# Altium PCB PCB.PcbDoc (part 8 of 10) (continued)
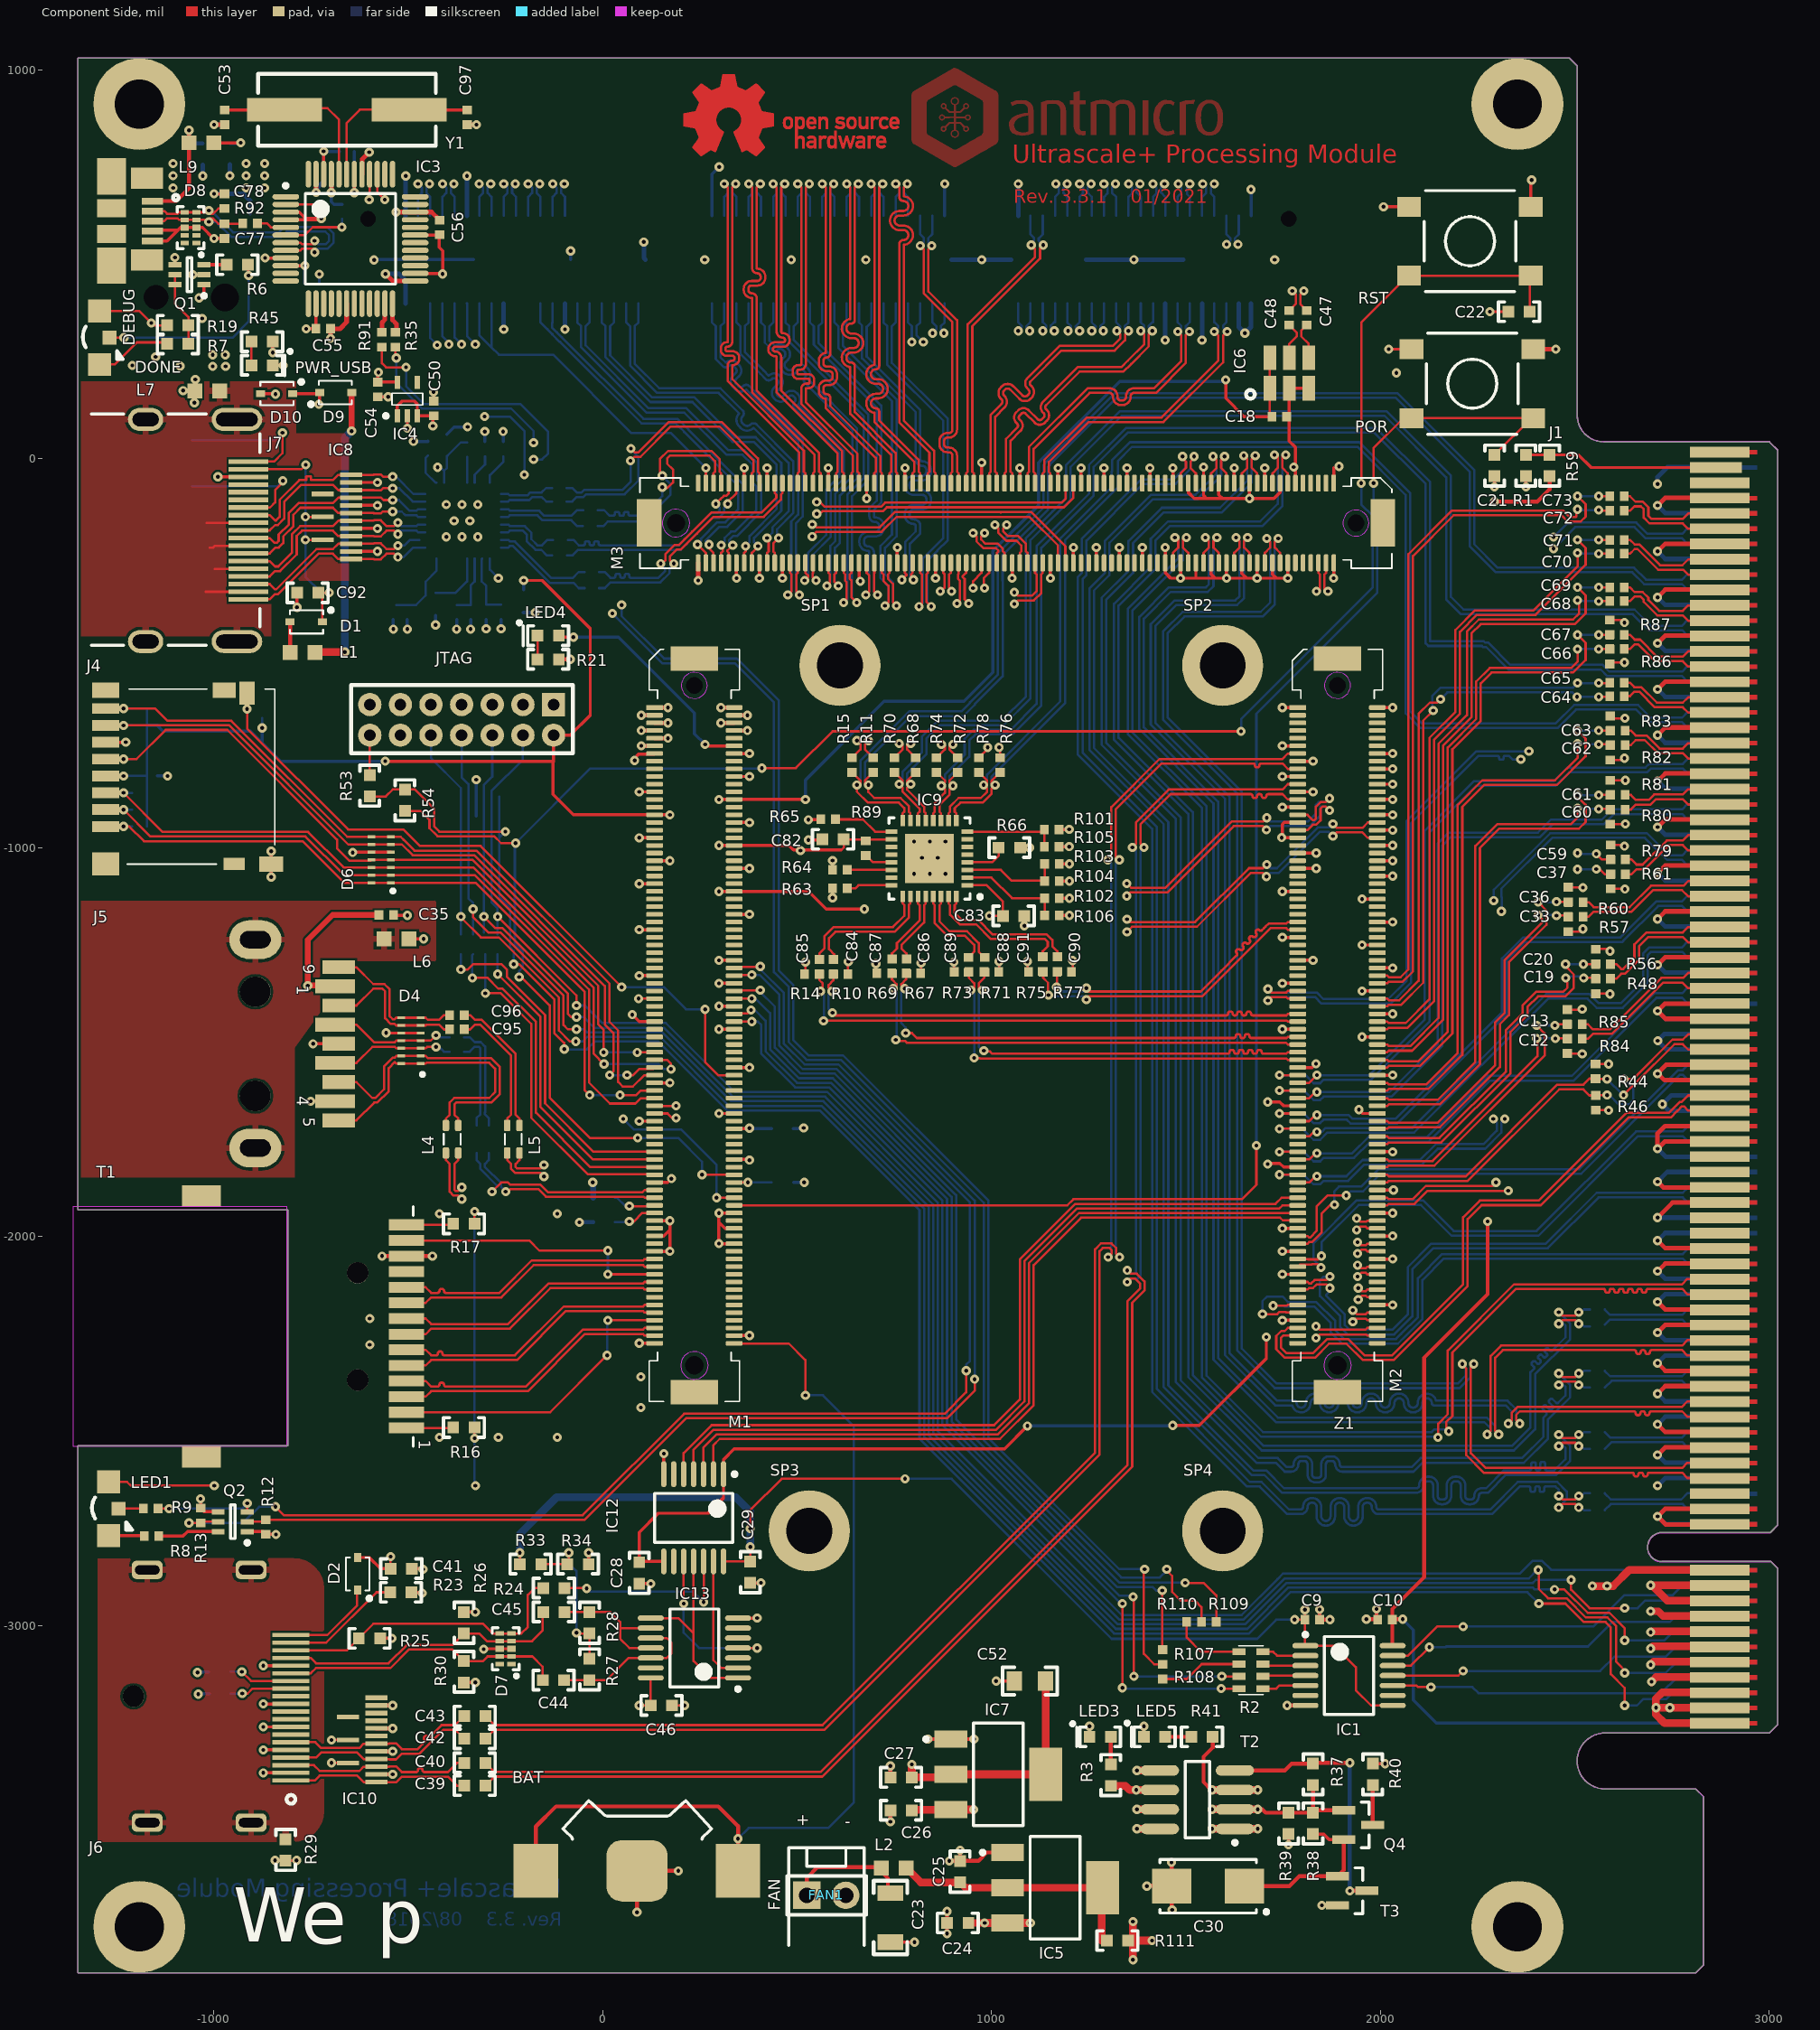
[diagram p0: Component Side view]
## Nets (pads, with @x,y where several pads share a name; then routed paths per layer and width w, separated by ;. In a path a pad name is that pad's centre, name@x,y a point inside that pad or via, vN(x,y) a via of type N, cw(c..) or ccw(c..) an arc to the next point about the centre after c; other vN are vias at no path point) (continued)
; 345.89,819.07 405.2,819.07 ; 345.89,819.47 404.81,819.47 ; 345.89,846.96 409.13,846.96 ; 345.89,896.07 408.35,896.07 ; 346.28,817.9 405.99,817.9 ; 346.28,818.29 405.6,818.29 ; 346.28,847.36 409.13,847.36 ; 346.28,895.67 408.35,895.67 ; 346.67,816.72 406.77,816.72 ; 346.67,817.11 406.38,817.11 ; 346.67,817.5 406.38,817.5 ; 346.67,847.75 409.52,847.75 ; 346.67,895.28 408.74,895.28 ; 347.07,815.93 407.17,815.93 ; 347.07,816.32 407.17,816.32 ; 347.07,894.89 408.74,894.89 ; 347.46,814.75 407.95,814.75 ; 347.46,815.15 407.95,815.15 ; 347.46,815.54 407.56,815.54 ; 347.46,848.14 409.52,848.14 ; 347.46,894.5 409.13,894.5 ; 347.85,813.97 408.74,813.97 ; 347.85,814.36 408.35,814.36 ; 347.85,848.54 409.52,848.54 ; 347.85,894.1 409.13,894.1 ; 348.24,813.18 409.13,813.18 ; 348.24,813.58 408.74,813.58 ; 348.24,848.93 409.92,848.93 ; 348.24,893.71 409.52,893.71 ; 348.64,812 409.92,812 ; 348.64,812.4 409.52,812.4 ; 348.64,812.79 409.52,812.79 ; 348.64,849.32 410.31,849.32 ; 348.64,849.71 410.31,849.71 ; 348.64,893.32 410.31,893.32 ; 349.03,811.22 410.7,811.22 ; 349.03,811.61 410.31,811.61 ; 349.03,850.11 411.1,850.11 ; 349.03,892.92 411.1,892.92 ; 349.42,810.04 411.49,810.04 ; 349.42,810.43 411.1,810.43 ; 349.42,810.83 410.7,810.83 ; 349.42,850.5 412.67,850.5 ; 349.42,892.53 413.06,892.53 ; 349.82,809.25 411.88,809.25 ; 349.82,809.65 411.49,809.65 ; 349.82,850.89 414.63,850.89 ; 349.82,891.75 417.38,891.75 ; 349.82,892.14 415.02,892.14 ; 350.21,808.47 412.27,808.47 ; 350.21,808.86 412.27,808.86 ; 350.21,851.29 416.59,851.29 ; 350.21,891.35 419.34,891.35 ; 350.6,807.29 413.06,807.29 ; 350.6,807.68 413.06,807.68 ; 350.6,808.08 412.67,808.08 ; 350.6,851.68 418.95,851.68 ; 350.6,852.07 420.92,852.07 ; 350.6,890.96 421.31,890.96 ; 350.99,806.5 413.84,806.5 ; 350.99,806.9 413.45,806.9 ; 350.99,852.46 423.27,852.46 ; 350.99,890.17 425.63,890.17 ; 350.99,890.57 423.67,890.57 ; 351.39,805.33 414.63,805.33 ; 351.39,805.72 414.24,805.72 ; 351.39,806.11 413.84,806.11 ; 351.39,852.86 425.24,852.86 ; 351.39,853.25 427.2,853.25 ; 351.39,889.78 427.99,889.78 ; 351.78,804.54 415.02,804.54 ; 351.78,804.93 415.02,804.93 ; 351.78,853.64 429.56,853.64 ; 351.78,889 431.91,889 ; 351.78,889.39 429.95,889.39 ; 352.17,803.36 415.81,803.36 ; 352.17,803.75 415.81,803.75 ; 352.17,804.15 415.42,804.15 ; 352.17,854.04 431.52,854.04 ; 352.17,854.43 433.49,854.43 ; 352.17,888.6 434.27,888.6 ; 352.57,802.58 416.59,802.58 ; 352.57,802.97 416.2,802.97 ; 352.57,854.82 435.84,854.82 ; 352.57,887.82 438.2,887.82 ; 352.57,888.21 436.24,888.21 ; 352.96,801.79 416.99,801.79 ; 352.96,802.18 416.59,802.18 ; 352.96,855.21 437.81,855.21 ; 352.96,855.61 439.38,855.61 ; 352.96,887.03 440.16,887.03 ; 352.96,887.43 439.77,887.43 ; 353.35,800.61 417.38,800.61 ; 353.35,801.01 417.38,801.01 ; 353.35,801.4 416.99,801.4 ; 353.35,856 440.16,856 ; 353.35,856.39 440.16,856.39 ; 353.35,886.25 440.56,886.25 ; 353.35,886.64 440.56,886.64 ; 353.74,799.83 416.99,799.83 ; 353.74,800.22 416.99,800.22 ; 353.74,856.79 440.56,856.79 ; 353.74,857.18 440.56,857.18 ; 353.74,885.46 440.56,885.46 ; 353.74,885.85 440.56,885.85 ; 354.14,798.65 415.81,798.65 ; 354.14,799.04 416.2,799.04 ; 354.14,799.43 416.59,799.43 ; 354.14,857.57 440.56,857.57 ; 354.14,857.96 440.56,857.96 ; 354.14,884.68 440.56,884.68 ; 354.14,885.07 440.56,885.07 ; 354.53,797.86 415.02,797.86 ; 354.53,798.26 415.42,798.26 ; 354.53,858.36 440.56,858.36 ; 354.53,858.75 440.56,858.75 ; 354.53,859.14 440.56,859.14 ; 354.53,883.89 440.56,883.89 ; 354.53,884.28 440.56,884.28 ; 354.92,797.08 414.24,797.08 ; 354.92,797.47 414.63,797.47 ; 354.92,859.53 440.56,859.53 ; 354.92,859.93 440.56,859.93 ; 354.92,860.32 440.56,860.32 ; 354.92,882.71 440.56,882.71 ; 354.92,883.1 440.56,883.1 ; 354.92,883.5 440.56,883.5 ; 355.32,795.9 413.06,795.9 ; 355.32,796.29 413.45,796.29 ; 355.32,796.68 413.84,796.68 ; 355.32,860.71 440.56,860.71 ; 355.32,861.11 440.56,861.11 ; 355.32,861.5 440.56,861.5 ; 355.32,881.53 440.56,881.53 ; 355.32,881.93 440.56,881.93 ; 355.32,882.32 440.56,882.32 ; 355.71,795.11 412.27,795.11 ; 355.71,795.51 412.67,795.51 ; 355.71,861.89 440.56,861.89 ; 355.71,862.28 440.56,862.28 ; 355.71,862.68 440.56,862.68 ; 355.71,880.35 440.56,880.35 ; 355.71,880.75 440.56,880.75 ; 355.71,881.14 440.56,881.14 ; 356.1,793.93 368.28,793.93 ; 356.1,794.33 369.06,794.33 ; 356.1,794.72 370.24,794.72 ; 356.1,863.07 440.56,863.07 ; 356.1,863.46 440.56,863.46 ; 356.1,863.86 440.56,863.86 ; 356.1,864.25 440.56,864.25 ; 356.1,878.78 440.56,878.78 ; 356.1,879.18 440.56,879.18 ; 356.1,879.57 440.56,879.57 ; 356.1,879.96 440.56,879.96 ; 356.49,793.15 366.71,793.15 ; 356.49,793.54 367.49,793.54 ; 356.49,864.64 440.56,864.64 ; 356.49,865.03 440.56,865.03 ; 356.49,865.43 440.56,865.43 ; 356.49,865.82 440.56,865.82 ; 356.49,866.21 440.56,866.21 ; 356.49,876.43 440.56,876.43 ; 356.49,876.82 440.56,876.82 ; 356.49,877.21 440.56,877.21 ; 356.49,877.6 440.56,877.6 ; 356.49,878 440.56,878 ; 356.49,878.39 440.56,878.39 ; 356.89,791.97 364.74,791.97 ; 356.89,792.36 365.53,792.36 ; 356.89,792.76 365.92,792.76 ; 356.89,866.61 440.56,866.61 ; 356.89,867 440.56,867 ; 356.89,867.39 440.56,867.39 ; 356.89,867.78 440.56,867.78 ; 356.89,868.18 440.56,868.18 ; 356.89,868.57 440.56,868.57 ; 356.89,868.96 440.56,868.96 ; 356.89,869.36 440.56,869.36 ; 356.89,869.75 440.56,869.75 ; 356.89,870.14 440.56,870.14 ; 356.89,870.53 440.56,870.53 ; 356.89,870.93 440.56,870.93 ; 356.89,871.71 440.56,871.71 ; 356.89,872.11 440.56,872.11 ; 356.89,872.5 440.56,872.5 ; 356.89,872.89 440.56,872.89 ; 356.89,873.28 440.56,873.28 ; 356.89,873.68 440.56,873.68 ; 356.89,874.07 440.56,874.07 ; 356.89,874.46 440.56,874.46 ; 356.89,874.85 440.56,874.85 ; 356.89,875.25 440.56,875.25 ; 356.89,875.64 440.56,875.64 ; 356.89,876.03 440.56,876.03 ; 357.28,791.18 363.17,791.18 ; 357.28,791.58 363.96,791.58 ; 357.28,871.32 440.56,871.32 ; 357.67,790.4 361.6,790.4 ; 357.67,790.79 362.39,790.79 ; 358.06,789.61 360.03,789.61 ; 358.06,790.01 360.81,790.01 ; 358.46,789.22 359.24,789.22 ; 369.46,947.13 413.06,947.13 ; 370.24,947.53 412.67,947.53 ; 370.64,947.92 412.27,947.92 ; 371.03,794.72 411.88,794.72 ; 371.03,948.31 411.88,948.31 ; 371.81,794.33 411.49,794.33 ; 371.81,948.7 411.49,948.7 ; 372.21,949.1 411.1,949.1 ; 372.6,793.93 411.1,793.93 ; 372.99,793.54 410.7,793.54 ; 372.99,949.49 410.7,949.49 ; 373.38,949.88 410.31,949.88 ; 373.78,793.15 410.31,793.15 ; 374.17,792.76 409.92,792.76 ; 374.17,950.28 409.92,950.28 ; 374.56,950.67 409.52,950.67 ; 374.96,792.36 409.52,792.36 ; 375.35,791.97 409.13,791.97 ; 375.35,951.06 409.13,951.06 ; 375.74,791.58 408.74,791.58 ; 375.74,951.45 408.74,951.45 ; 376.53,791.18 408.35,791.18 ; 376.53,951.85 408.35,951.85 ; 376.92,790.79 407.95,790.79 ; 376.92,952.24 407.95,952.24 ; 377.71,790.4 407.56,790.4 ; 377.71,952.63 407.56,952.63 ; 378.1,790.01 407.17,790.01 ; 378.1,953.03 407.17,953.03 ; 378.49,953.42 406.77,953.42 ; 378.88,789.61 406.77,789.61 ; 379.28,789.22 406.38,789.22 ; 379.28,953.81 406.38,953.81 ; 379.67,954.2 405.99,954.2 ; 380.06,788.83 405.99,788.83 ; 380.46,788.44 405.6,788.44 ; 380.46,954.6 405.6,954.6 ; 380.85,954.99 405.2,954.99 ; 381.24,788.04 405.2,788.04 ; 381.63,787.65 404.81,787.65 ; 381.63,955.38 404.81,955.38 ; 382.03,787.26 404.42,787.26 ; 382.03,955.78 404.42,955.78 ; 382.81,786.86 404.02,786.86 ; 382.81,956.17 404.02,956.17 ; 383.21,786.47 403.63,786.47 ; 383.21,956.56 403.63,956.56 ; 383.99,786.08 403.24,786.08 ; 383.99,956.95 403.24,956.95 ; 384.38,785.69 402.85,785.69 ; 384.38,957.35 402.85,957.35 ; 384.78,957.74 402.45,957.74 ; 385.17,785.29 402.45,785.29 ; 385.56,784.9 402.06,784.9 ; 385.56,958.13 402.06,958.13 ; 385.95,958.52 401.67,958.52 ; 386.35,784.51 401.67,784.51 ; 386.74,784.11 401.27,784.11 ; 386.74,958.92 401.27,958.92 ; 387.13,959.31 400.88,959.31 ; 387.53,783.72 400.88,783.72 ; 387.92,783.33 400.49,783.33 ; 387.92,959.7 400.49,959.7 ; 388.31,782.94 400.1,782.94 ; 388.31,960.1 400.1,960.1 ; 389.1,782.54 399.7,782.54 ; 389.1,960.49 399.7,960.49 ; 389.49,782.15 399.31,782.15 ; 389.49,960.88 399.31,960.88 ; 390.28,781.76 398.92,781.76 ; 390.28,961.27 398.92,961.27 ; 390.67,781.36 398.52,781.36 ; 390.67,961.67 398.52,961.67 ; 391.06,962.06 398.13,962.06 ; 391.45,780.97 398.13,780.97 ; 391.85,780.58 397.74,780.58 ; 391.85,962.45 397.74,962.45 ; 392.24,962.85 397.35,962.85 ; 392.63,780.19 397.35,780.19 ; 393.03,779.79 396.95,779.79 ; 393.03,963.24 396.95,963.24 ; 393.42,963.63 396.56,963.63 ; 393.81,779.4 396.56,779.4 ; 394.2,779.01 395.78,779.01 ; 394.2,964.02 396.17,964.02 ; 464.18,862.88 470.47,862.88 ; 464.18,863.28 470.47,863.28 ; 464.18,863.67 470.47,863.67 ; 464.18,864.06 470.47,864.06 ; 464.18,864.46 470.47,864.46 ; 464.18,864.85 470.47,864.85 ; 464.58,858.56 470.86,858.56 ; 464.58,858.96 470.86,858.96 ; 464.58,859.35 470.47,859.35 ; 464.58,859.74 470.47,859.74 ; 464.58,860.13 470.47,860.13 ; 464.58,860.53 470.47,860.53 ; 464.58,860.92 470.47,860.92 ; 464.58,861.31 470.47,861.31 ; 464.58,861.71 470.47,861.71 ; 464.58,862.1 470.47,862.1 ; 464.58,862.49 470.47,862.49 ; 464.58,865.24 470.47,865.24 ; 464.58,865.63 470.47,865.63 ; 464.58,866.03 470.47,866.03 ; 464.58,866.42 470.47,866.42 ; 464.58,866.81 470.47,866.81 ; 464.58,867.21 470.47,867.21 ; 464.58,867.6 470.47,867.6 ; 464.58,867.99 470.47,867.99 ; 464.58,868.38 470.47,868.38 ; 464.58,868.78 470.86,868.78 ; 464.58,869.17 470.86,869.17 ; 464.97,856.6 471.65,856.6 ; 464.97,856.99 471.65,856.99 ; 464.97,857.38 471.25,857.38 ; 464.97,857.78 471.25,857.78 ; 464.97,858.17 470.86,858.17 ; 464.97,869.56 470.86,869.56 ; 464.97,869.96 471.25,869.96 ; 464.97,870.35 471.25,870.35 ; 464.97,870.74 471.65,870.74 ; 464.97,871.13 471.65,871.13 ; 465.36,855.42 472.83,855.42 ; 465.36,855.81 472.43,855.81 ; 465.36,856.21 472.04,856.21 ; 465.36,871.53 472.04,871.53 ; 465.36,871.92 472.43,871.92 ; 465.36,872.31 472.83,872.31 ; 465.76,854.64 474,854.64 ; 465.76,855.03 473.61,855.03 ; 465.76,872.7 473.61,872.7 ; 465.76,873.1 474.4,873.1 ; 466.15,853.85 487.75,853.85 ; 466.15,854.24 475.18,854.24 ; 466.15,873.49 475.58,873.49 ; 466.15,873.88 487.75,873.88 ; 466.54,853.46 487.36,853.46 ; 466.54,874.28 487.36,874.28 ; 466.93,853.06 487.36,853.06 ; 466.93,874.67 487.36,874.67 ; 467.33,852.28 486.57,852.28 ; 467.33,852.67 486.97,852.67 ; 467.33,875.06 486.97,875.06 ; 467.33,875.45 486.57,875.45 ; 467.72,851.89 486.18,851.89 ; 467.72,875.85 486.18,875.85 ; 468.11,851.49 485.79,851.49 ; 468.11,876.24 485.79,876.24 ; 468.5,851.1 485.4,851.1 ; 468.5,876.63 485.4,876.63 ; 468.9,850.71 485,850.71 ; 468.9,877.03 485,877.03 ; 469.68,850.31 484.61,850.31 ; 469.68,877.42 484.61,877.42 ; 470.08,849.92 483.83,849.92 ; 470.08,877.81 483.83,877.81 ; 470.86,849.53 483.04,849.53 ; 470.86,878.2 483.04,878.2 ; 471.65,849.14 482.25,849.14 ; 471.65,878.6 482.25,878.6 ; 472.83,848.74 481.08,848.74 ; 472.83,878.99 481.08,878.99 ; 474,879.38 479.9,879.38 ; 474.4,848.35 479.9,848.35 ; 478.72,854.24 488.15,854.24 ; 478.72,873.49 488.15,873.49 ; 479.9,854.64 488.15,854.64 ; 479.9,873.1 488.15,873.1 ; 480.68,855.03 488.54,855.03 ; 480.68,872.7 488.54,872.7 ; 481.08,855.42 488.54,855.42 ; 481.08,872.31 488.54,872.31 ; 481.47,855.81 488.54,855.81 ; 481.47,871.92 488.54,871.92 ; 481.86,856.21 488.93,856.21 ; 481.86,871.53 488.93,871.53 ; 482.25,856.6 488.93,856.6 ; 482.25,871.13 488.93,871.13 ; 482.65,856.99 488.93,856.99 ; 482.65,857.38 489.32,857.38 ; 482.65,870.35 489.32,870.35 ; 482.65,870.74 488.93,870.74 ; 483.04,857.78 489.32,857.78 ; 483.04,858.17 489.32,858.17 ; 483.04,869.56 489.32,869.56 ; 483.04,869.96 489.32,869.96 ; 483.43,858.56 489.32,858.56 ; 483.43,858.96 489.32,858.96 ; 483.43,859.35 489.32,859.35 ; 483.43,859.74 489.72,859.74 ; 483.43,860.13 489.72,860.13 ; 483.43,860.53 489.72,860.53 ; 483.43,867.21 489.72,867.21 ; 483.43,867.6 489.72,867.6 ; 483.43,867.99 489.72,867.99 ; 483.43,868.38 489.32,868.38 ; 483.43,868.78 489.32,868.78 ; 483.43,869.17 489.32,869.17 ; 483.83,860.92 489.72,860.92 ; 483.83,861.31 489.72,861.31 ; 483.83,861.71 489.72,861.71 ; 483.83,862.1 489.72,862.1 ; 483.83,862.49 489.72,862.49 ; 483.83,862.88 489.72,862.88 ; 483.83,863.28 489.72,863.28 ; 483.83,863.67 489.72,863.67 ; 483.83,864.06 489.72,864.06 ; 483.83,864.46 489.72,864.46 ; 483.83,864.85 489.72,864.85 ; 483.83,865.24 489.72,865.24 ; 483.83,865.63 489.72,865.63 ; 483.83,866.03 489.72,866.03 ; 483.83,866.42 489.72,866.42 ; 483.83,866.81 489.72,866.81 ; 495.22,799.25 501.5,799.25 ; 495.22,799.64 501.5,799.64 ; 495.22,800.03 501.5,800.03 ; 495.22,800.43 501.5,800.43 ; 495.22,800.82 501.5,800.82 ; 495.22,801.21 501.5,801.21 ; 495.22,801.6 501.5,801.6 ; 495.22,802 501.5,802 ; 495.22,802.39 501.5,802.39 ; 495.22,802.78 501.5,802.78 ; 495.22,803.18 501.5,803.18 ; 495.22,803.57 501.5,803.57 ; 495.22,803.96 501.5,803.96 ; 495.22,804.35 501.5,804.35 ; 495.22,804.75 501.5,804.75 ; 495.22,805.14 501.5,805.14 ; 495.22,805.53 501.5,805.53 ; 495.22,805.93 501.5,805.93 ; 495.22,806.32 501.5,806.32 ; 495.22,806.71 501.5,806.71 ; 495.22,807.1 501.5,807.1 ; 495.22,807.5 501.5,807.5 ; 495.22,807.89 501.5,807.89 ; 495.22,808.28 501.5,808.28 ; 495.22,808.68 501.5,808.68 ; 495.22,809.07 501.5,809.07 ; 495.22,809.46 501.5,809.46 ; 495.22,809.85 501.5,809.85 ; 495.22,810.25 501.5,810.25 ; 495.22,810.64 501.5,810.64 ; 495.22,811.03 501.5,811.03 ; 495.22,811.43 501.5,811.43 ; 495.22,811.82 501.5,811.82 ; 495.22,812.21 501.5,812.21 ; 495.22,812.6 501.5,812.6 ; 495.22,813 501.5,813 ; 495.22,813.39 501.5,813.39 ; 495.22,813.78 501.5,813.78 ; 495.22,814.18 501.5,814.18 ; 495.22,814.57 501.5,814.57 ; 495.22,814.96 501.5,814.96 ; 495.22,815.35 501.5,815.35 ; 495.22,815.75 501.5,815.75 ; 495.22,816.14 501.5,816.14 ; 495.22,816.53 501.5,816.53 ; 495.22,816.92 501.5,816.92 ; 495.22,817.32 501.5,817.32 ; 495.22,817.71 501.5,817.71 ; 495.22,818.1 501.5,818.1 ; 495.22,818.5 501.5,818.5 ; 495.22,818.89 501.5,818.89 ; 495.22,819.28 501.5,819.28 ; 495.22,819.67 501.5,819.67 ; 495.22,820.07 501.89,820.07 ; 495.22,820.46 501.89,820.46 ; 495.22,820.85 501.89,820.85 ; 495.22,821.25 502.29,821.25 ; 495.22,821.64 502.29,821.64 ; 495.22,822.03 502.68,822.03 ; 495.22,822.42 503.07,822.42 ; 495.22,822.82 503.47,822.82 ; 495.22,823.21 503.86,823.21 ; 495.22,823.6 504.25,823.6 ; 495.22,824 505.04,824 ; 495.22,824.39 507,824.39 ; 495.22,824.78 518.79,824.78 ; 495.22,825.17 518.39,825.17 ; 495.22,825.57 518.39,825.57 ; 495.22,825.96 518,825.96 ; 495.22,826.35 518,826.35 ; 495.22,826.75 517.61,826.75 ; 495.22,827.14 501.5,827.14 ; 495.22,827.53 501.5,827.53 ; 495.22,827.92 501.5,827.92 ; 495.22,828.32 501.5,828.32 ; 495.22,828.71 501.5,828.71 ; 495.22,829.1 501.5,829.1 ; 495.22,829.49 501.5,829.49 ; 495.22,829.89 501.5,829.89 ; 495.22,830.28 501.5,830.28 ; 495.22,830.67 501.5,830.67 ; 495.22,831.07 501.5,831.07 ; 495.22,831.46 501.5,831.46 ; 495.22,831.85 501.5,831.85 ; 495.22,832.24 501.5,832.24 ; 495.22,832.64 501.5,832.64 ; 495.22,833.03 501.5,833.03 ; 495.22,833.42 501.5,833.42 ; 495.22,833.82 501.5,833.82 ; 495.22,834.21 501.5,834.21 ; 495.22,834.6 501.5,834.6 ; 495.22,834.99 501.5,834.99 ; 495.22,835.39 501.5,835.39 ; 495.22,835.78 501.5,835.78 ; 495.22,836.17 501.5,836.17 ; 495.22,836.57 501.5,836.57 ; 495.22,836.96 501.5,836.96 ; 495.22,837.35 501.5,837.35 ; 495.22,837.74 501.5,837.74 ; 495.22,838.14 501.5,838.14 ; 495.22,838.53 501.5,838.53 ; 495.22,838.92 501.5,838.92 ; 495.22,839.32 501.5,839.32 ; 495.22,839.71 501.5,839.71 ; 495.22,840.1 501.5,840.1 ; 495.22,840.49 501.5,840.49 ; 495.22,840.89 501.5,840.89 ; 495.22,841.28 501.5,841.28 ; 495.22,841.67 501.5,841.67 ; 495.22,842.06 501.5,842.06 ; 495.22,842.46 501.5,842.46 ; 495.22,842.85 501.5,842.85 ; 495.22,843.24 501.5,843.24 ; 495.22,843.64 501.5,843.64 ; 495.22,844.03 501.5,844.03 ; 495.22,844.42 501.5,844.42 ; 495.22,844.81 501.5,844.81 ; 495.22,845.21 501.5,845.21 ; 495.22,845.6 501.5,845.6 ; 495.22,845.99 501.5,845.99 ; 495.22,846.39 501.5,846.39 ; 495.22,846.78 501.5,846.78 ; 495.22,847.17 501.5,847.17 ; 495.22,847.56 501.5,847.56 ; 495.22,847.96 501.5,847.96 ; 495.22,848.35 501.5,848.35 ; 495.22,848.74 501.5,848.74 ; 495.22,849.14 501.5,849.14 ; 495.22,849.53 501.5,849.53 ; 495.22,849.92 501.5,849.92 ; 495.22,850.31 501.5,850.31 ; 495.22,850.71 501.5,850.71 ; 495.22,851.1 501.5,851.1 ; 495.22,851.49 501.5,851.49 ; 495.22,851.89 517.61,851.89 ; 495.22,852.28 518,852.28 ; 495.22,852.67 518,852.67 ; 495.22,853.06 518.39,853.06 ; 495.22,853.46 518.79,853.46 ; 495.22,853.85 518.79,853.85 ; 495.22,854.24 505.82,854.24 ; 495.22,854.64 504.64,854.64 ; 495.22,855.03 503.86,855.03 ; 495.22,855.42 503.47,855.42 ; 495.22,855.81 503.07,855.81 ; 495.22,856.21 503.07,856.21 ; 495.22,856.6 502.68,856.6 ; 495.22,856.99 502.29,856.99 ; 495.22,857.38 502.29,857.38 ; 495.22,857.78 501.89,857.78 ; 495.22,858.17 501.89,858.17 ; 495.22,858.56 501.89,858.56 ; 495.22,858.96 501.89,858.96 ; 495.22,859.35 501.5,859.35 ; 495.22,859.74 501.5,859.74 ; 495.22,860.13 501.5,860.13 ; 495.22,860.53 501.5,860.53 ; 495.22,860.92 501.5,860.92 ; 495.22,861.31 501.5,861.31 ; 495.22,861.71 501.5,861.71 ; 495.22,862.1 501.5,862.1 ; 495.22,862.49 501.5,862.49 ; 495.22,862.88 501.5,862.88 ; 495.22,863.28 501.5,863.28 ; 495.22,863.67 501.5,863.67 ; 495.22,864.06 501.5,864.06 ; 495.22,864.46 501.5,864.46 ; 495.22,864.85 501.5,864.85 ; 495.22,865.24 501.5,865.24 ; 495.22,865.63 501.5,865.63 ; 495.22,866.03 501.5,866.03 ; 495.22,866.42 501.5,866.42 ; 495.22,866.81 501.5,866.81 ; 495.22,867.21 501.5,867.21 ; 495.22,867.6 501.5,867.6 ; 495.22,867.99 501.5,867.99 ; 495.22,868.38 501.5,868.38 ; 495.22,868.78 501.89,868.78 ; 495.22,869.17 501.89,869.17 ; 495.22,869.56 501.89,869.56 ; 495.22,869.96 502.29,869.96 ; 495.22,870.35 502.29,870.35 ; 495.22,870.74 502.29,870.74 ; 495.22,871.13 502.68,871.13 ; 495.22,871.53 503.07,871.53 ; 495.22,871.92 503.07,871.92 ; 495.22,872.31 503.47,872.31 ; 495.22,872.7 504.25,872.7 ; 495.22,873.1 505.04,873.1 ; 495.22,873.49 505.82,873.49 ; 495.22,873.88 518.79,873.88 ; 495.22,874.28 518.79,874.28 ; 495.22,874.67 518.39,874.67 ; 495.22,875.06 518,875.06 ; 495.22,875.45 518,875.45 ; 495.22,875.85 517.61,875.85 ; 495.22,876.24 501.5,876.24 ; 495.22,876.63 501.5,876.63 ; 495.22,877.03 501.5,877.03 ; 495.22,877.42 501.5,877.42 ; 495.22,877.81 501.5,877.81 ; 495.22,878.2 501.5,878.2 ; 495.22,878.6 501.5,878.6 ; 495.22,878.99 501.5,878.99 ; 501.89,827.14 517.21,827.14 ; 501.89,851.49 517.21,851.49 ; 501.89,876.24 517.21,876.24 ; 502.29,827.53 516.82,827.53 ; 502.29,851.1 516.82,851.1 ; 502.29,876.63 516.82,876.63 ; 502.68,827.92 516.43,827.92 ; 502.68,850.71 516.43,850.71 ; 502.68,877.03 516.43,877.03 ; 503.07,828.32 515.64,828.32 ; 503.07,850.31 516.04,850.31 ; 503.07,877.42 516.04,877.42 ; 503.47,877.81 515.64,877.81 ; 503.86,828.71 515.25,828.71 ; 503.86,849.92 515.64,849.92 ; 504.25,878.2 514.86,878.2 ; 504.64,829.1 514.46,829.1 ; 504.64,849.53 514.86,849.53 ; 505.04,829.49 513.68,829.49 ; 505.04,849.14 514.46,849.14 ; 505.04,878.6 514.07,878.6 ; 506.22,829.89 512.89,829.89 ; 506.22,848.74 513.29,848.74 ; 506.22,878.99 513.29,878.99 ; 507,848.35 512.11,848.35 ; 507,879.38 512.11,879.38 ; 508.18,830.28 511.32,830.28 ; 508.57,824.39 519.18,824.39 ; 509.36,854.24 519.18,854.24 ; 509.36,873.49 519.18,873.49 ; 510.14,824 519.18,824 ; 510.54,854.64 519.18,854.64 ; 510.54,873.1 519.18,873.1 ; 510.93,823.6 519.18,823.6 ; 511.32,823.21 519.57,823.21 ; 511.32,855.03 519.18,855.03 ; 511.32,872.7 519.18,872.7 ; 511.71,855.42 519.18,855.42 ; 511.71,872.31 519.18,872.31 ; 512.11,822.82 519.57,822.82 ; 512.11,855.81 519.57,855.81 ; 512.11,871.92 519.57,871.92 ; 512.5,822.03 519.57,822.03 ; 512.5,822.42 519.57,822.42 ; 512.5,856.21 519.57,856.21 ; 512.5,871.53 519.57,871.53 ; 512.89,821.64 519.57,821.64 ; 512.89,856.6 519.57,856.6 ; 512.89,856.99 519.57,856.99 ; 512.89,870.74 519.57,870.74 ; 512.89,871.13 519.57,871.13 ; 513.29,820.85 519.96,820.85 ; 513.29,821.25 519.96,821.25 ; 513.29,857.38 519.57,857.38 ; 513.29,857.78 519.57,857.78 ; 513.29,858.17 519.57,858.17 ; 513.29,869.56 519.57,869.56 ; 513.29,869.96 519.57,869.96 ; 513.29,870.35 519.57,870.35 ; 513.68,818.89 519.96,818.89 ; 513.68,819.28 519.96,819.28 ; 513.68,819.67 519.96,819.67 ; 513.68,820.07 519.96,820.07 ; 513.68,820.46 519.96,820.46 ; 513.68,858.56 519.96,858.56 ; 513.68,858.96 519.96,858.96 ; 513.68,859.35 519.96,859.35 ; 513.68,859.74 519.96,859.74 ; 513.68,860.13 519.96,860.13 ; 513.68,860.53 519.96,860.53 ; 513.68,867.21 519.96,867.21 ; 513.68,867.6 519.96,867.6 ; 513.68,867.99 519.96,867.99 ; 513.68,868.38 519.96,868.38 ; 513.68,868.78 519.96,868.78 ; 513.68,869.17 519.96,869.17 ; 514.07,799.25 519.96,799.25 ; 514.07,799.64 519.96,799.64 ; 514.07,800.03 519.96,800.03 ; 514.07,800.43 519.96,800.43 ; 514.07,800.82 519.96,800.82 ; 514.07,801.21 519.96,801.21 ; 514.07,801.6 519.96,801.6 ; 514.07,802 519.96,802 ; 514.07,802.39 519.96,802.39 ; 514.07,802.78 519.96,802.78 ; 514.07,803.18 519.96,803.18 ; 514.07,803.57 519.96,803.57 ; 514.07,803.96 519.96,803.96 ; 514.07,804.35 519.96,804.35 ; 514.07,804.75 519.96,804.75 ; 514.07,805.14 519.96,805.14 ; 514.07,805.53 519.96,805.53 ; 514.07,805.93 519.96,805.93 ; 514.07,806.32 519.96,806.32 ; 514.07,806.71 519.96,806.71 ; 514.07,807.1 519.96,807.1 ; 514.07,807.5 519.96,807.5 ; 514.07,807.89 519.96,807.89 ; 514.07,808.28 519.96,808.28 ; 514.07,808.68 519.96,808.68 ; 514.07,809.07 519.96,809.07 ; 514.07,809.46 519.96,809.46 ; 514.07,809.85 519.96,809.85 ; 514.07,810.25 519.96,810.25 ; 514.07,810.64 519.96,810.64 ; 514.07,811.03 519.96,811.03 ; 514.07,811.43 519.96,811.43 ; 514.07,811.82 519.96,811.82 ; 514.07,812.21 519.96,812.21 ; 514.07,812.6 519.96,812.6 ; 514.07,813 519.96,813 ; 514.07,813.39 519.96,813.39 ; 514.07,813.78 519.96,813.78 ; 514.07,814.18 519.96,814.18 ; 514.07,814.57 519.96,814.57 ; 514.07,814.96 519.96,814.96 ; 514.07,815.35 519.96,815.35 ; 514.07,815.75 519.96,815.75 ; 514.07,816.14 519.96,816.14 ; 514.07,816.53 519.96,816.53 ; 514.07,816.92 519.96,816.92 ; 514.07,817.32 519.96,817.32 ; 514.07,817.71 519.96,817.71 ; 514.07,818.1 519.96,818.1 ; 514.07,818.5 519.96,818.5 ; 514.07,860.92 519.96,860.92 ; 514.07,861.31 519.96,861.31 ; 514.07,861.71 519.96,861.71 ; 514.07,862.1 519.96,862.1 ; 514.07,862.49 519.96,862.49 ; 514.07,862.88 519.96,862.88 ; 514.07,863.28 519.96,863.28 ; 514.07,863.67 519.96,863.67 ; 514.07,864.06 519.96,864.06 ; 514.07,864.46 519.96,864.46 ; 514.07,864.85 519.96,864.85 ; 514.07,865.24 519.96,865.24 ; 514.07,865.63 519.96,865.63 ; 514.07,866.03 519.96,866.03 ; 514.07,866.42 519.96,866.42 ; 514.07,866.81 519.96,866.81 ; 524.68,806.32 530.96,806.32 ; 524.68,806.71 530.57,806.71 ; 524.68,807.1 530.57,807.1 ; 524.68,807.5 530.57,807.5 ; 524.68,807.89 530.57,807.89 ; 524.68,808.28 530.18,808.28 ; 524.68,808.68 530.18,808.68 ; 524.68,809.07 530.57,809.07 ; 524.68,809.46 530.57,809.46 ; 524.68,809.85 530.57,809.85 ; 524.68,859.35 530.57,859.35 ; 524.68,859.74 530.57,859.74 ; 524.68,860.13 530.57,860.13 ; 524.68,860.53 530.57,860.53 ; 524.68,860.92 530.57,860.92 ; 524.68,861.31 530.57,861.31 ; 524.68,861.71 549.82,861.71 ; 524.68,862.1 549.82,862.1 ; 524.68,862.49 549.82,862.49 ; 524.68,862.88 549.82,862.88 ; 524.68,863.28 549.82,863.28 ; 524.68,863.67 549.82,863.67 ; 524.68,864.06 549.82,864.06 ; 524.68,864.46 549.82,864.46 ; 524.68,864.85 549.82,864.85 ; 524.68,865.24 549.82,865.24 ; 524.68,865.63 549.82,865.63 ; 524.68,866.03 549.82,866.03 ; 524.68,866.42 549.82,866.42 ; 524.68,866.81 530.57,866.81 ; 524.68,867.21 530.57,867.21 ; 524.68,867.6 530.57,867.6 ; 524.68,867.99 530.57,867.99 ; 525.07,805.14 532.53,805.14 ; 525.07,805.53 531.75,805.53 ; 525.07,805.93 531.36,805.93 ; 525.07,810.25 530.57,810.25 ; 525.07,810.64 530.96,810.64 ; 525.07,811.03 531.36,811.03 ; 525.07,811.43 531.75,811.43 ; 525.07,857.78 531.36,857.78 ; 525.07,858.17 530.96,858.17 ; 525.07,858.56 530.96,858.56 ; 525.07,858.96 530.96,858.96 ; 525.07,868.38 530.57,868.38 ; 525.07,868.78 530.57,868.78 ; 525.07,869.17 530.96,869.17 ; 525.07,869.56 530.96,869.56 ; 525.46,804.35 549.43,804.35 ; 525.46,804.75 533.71,804.75 ; 525.46,811.82 532.53,811.82 ; 525.46,812.21 534.11,812.21 ; 525.46,856.6 531.75,856.6 ; 525.46,856.99 531.75,856.99 ; 525.46,857.38 531.36,857.38 ; 525.46,869.96 530.96,869.96 ; 525.46,870.35 531.36,870.35 ; 525.46,870.74 531.36,870.74 ; 525.46,871.13 531.75,871.13 ; 525.86,803.57 549.43,803.57 ; 525.86,803.96 549.43,803.96 ; 525.86,812.6 549.43,812.6 ; 525.86,813 549.43,813 ; 525.86,855.42 532.93,855.42 ; 525.86,855.81 532.53,855.81 ; 525.86,856.21 532.14,856.21 ; 525.86,871.53 532.14,871.53 ; 525.86,871.92 532.14,871.92 ; 526.25,802.78 549.43,802.78 ; 526.25,803.18 549.43,803.18 ; 526.25,813.39 549.43,813.39 ; 526.25,825.96 547.85,825.96 ; 526.25,854.64 534.11,854.64 ; 526.25,855.03 533.32,855.03 ; 526.25,872.31 532.53,872.31 ; 526.25,872.7 533.32,872.7 ; 526.64,802.39 549.43,802.39 ; 526.64,813.78 549.43,813.78 ; 526.64,826.35 547.85,826.35 ; 526.64,853.85 536.07,853.85 ; 526.64,854.24 534.89,854.24 ; 526.64,873.1 533.71,873.1 ; 526.64,873.49 534.5,873.49 ; 527.03,802 549.43,802 ; 527.03,814.18 549.43,814.18 ; 527.03,814.57 549.43,814.57 ; 527.03,825.57 548.25,825.57 ; 527.03,826.75 547.46,826.75 ; 527.03,827.14 547.07,827.14 ; 527.03,853.46 548.64,853.46 ; 527.03,873.88 535.68,873.88 ; 527.03,874.28 547.85,874.28 ; 527.43,801.6 542.75,801.6 ; 527.43,825.17 548.64,825.17 ; 527.43,852.67 549.03,852.67 ; 527.43,853.06 549.03,853.06 ; 527.43,874.67 547.46,874.67 ; 527.82,801.21 542.35,801.21 ; 527.82,814.96 549.43,814.96 ; 527.82,824.78 536.46,824.78 ; 527.82,827.53 546.68,827.53 ; 527.82,852.28 548.64,852.28 ; 527.82,875.06 547.07,875.06 ; 527.82,875.45 546.68,875.45 ; 528.21,815.35 549.43,815.35 ; 528.21,827.92 546.28,827.92 ; 528.21,851.89 548.25,851.89 ; 528.21,875.85 546.28,875.85 ; 528.61,800.82 542.35,800.82 ; 528.61,815.75 549.43,815.75 ; 528.61,824.39 533.71,824.39 ; 528.61,828.32 545.89,828.32 ; 528.61,851.49 547.46,851.49 ; 528.61,876.24 545.89,876.24 ; 529,800.43 541.96,800.43 ; 529,824 532.53,824 ; 529,851.1 547.07,851.1 ; 529,876.63 545.5,876.63 ; 529.39,816.14 549.43,816.14 ; 529.39,823.6 532.14,823.6 ; 529.39,828.71 545.1,828.71 ; 529.39,850.71 546.68,850.71 ; 529.39,877.03 545.1,877.03 ; 529.78,800.03 541.18,800.03 ; 529.78,829.1 544.32,829.1 ; 530.18,816.53 549.43,816.53 ; 530.18,823.21 531.75,823.21 ; 530.18,850.31 545.89,850.31 ; 530.18,877.42 544.32,877.42 ; 530.57,799.64 540.39,799.64 ; 530.57,822.82 531.36,822.82 ; 530.57,849.92 545.5,849.92 ; 530.57,877.81 543.93,877.81 ; 530.96,829.49 543.14,829.49 ; 531.36,849.53 544.71,849.53 ; 531.36,878.2 543.14,878.2 ; 531.75,816.92 549.43,816.92 ; 532.14,799.25 539.21,799.25 ; 532.14,829.89 541.96,829.89 ; 532.14,878.6 542.35,878.6 ; 532.53,849.14 543.93,849.14 ; 532.93,878.99 541.18,878.99 ; 533.32,848.74 542.75,848.74 ; 534.5,830.28 539.61,830.28 ; 534.5,879.38 540,879.38 ; 534.89,798.85 536.46,798.85 ; 534.89,848.35 541.18,848.35 ; 537.25,824.78 548.64,824.78 ; 538.82,873.88 547.85,873.88 ; 539.61,853.85 548.25,853.85 ; 540,873.49 548.25,873.49 ; 540.39,804.75 549.43,804.75 ; 540.39,824.39 548.64,824.39 ; 540.78,873.1 548.25,873.1 ; 541.18,854.24 547.85,854.24 ; 541.18,872.7 548.64,872.7 ; 541.57,805.14 549.43,805.14 ; 541.57,824 549.03,824 ; 541.57,872.31 548.64,872.31 ; 541.96,805.53 549.43,805.53 ; 541.96,854.64 547.07,854.64 ; 541.96,871.92 549.03,871.92 ; 542.35,805.93 549.43,805.93 ; 542.35,823.6 549.03,823.6 ; 542.35,871.53 549.03,871.53 ; 542.75,806.32 549.43,806.32 ; 542.75,806.71 549.43,806.71 ; 542.75,822.82 549.03,822.82 ; 542.75,823.21 549.03,823.21 ; 542.75,855.03 546.68,855.03 ; 542.75,870.74 549.43,870.74 ; 542.75,871.13 549.03,871.13 ; 543.14,807.1 549.43,807.1 ; 543.14,807.5 549.43,807.5 ; 543.14,807.89 549.43,807.89 ; 543.14,817.32 549.43,817.32 ; 543.14,822.03 549.43,822.03 ; 543.14,822.42 549.43,822.42 ; 543.14,869.96 549.43,869.96 ; 543.14,870.35 549.43,870.35 ; 543.53,799.25 549.43,799.25 ; 543.53,799.64 549.43,799.64 ; 543.53,800.03 549.43,800.03 ; 543.53,800.43 549.43,800.43 ; 543.53,800.82 549.43,800.82 ; 543.53,801.21 549.43,801.21 ; 543.53,801.6 549.43,801.6